# Altium PCB 运动控制板.PcbDoc (part 3 of 3) (continued)
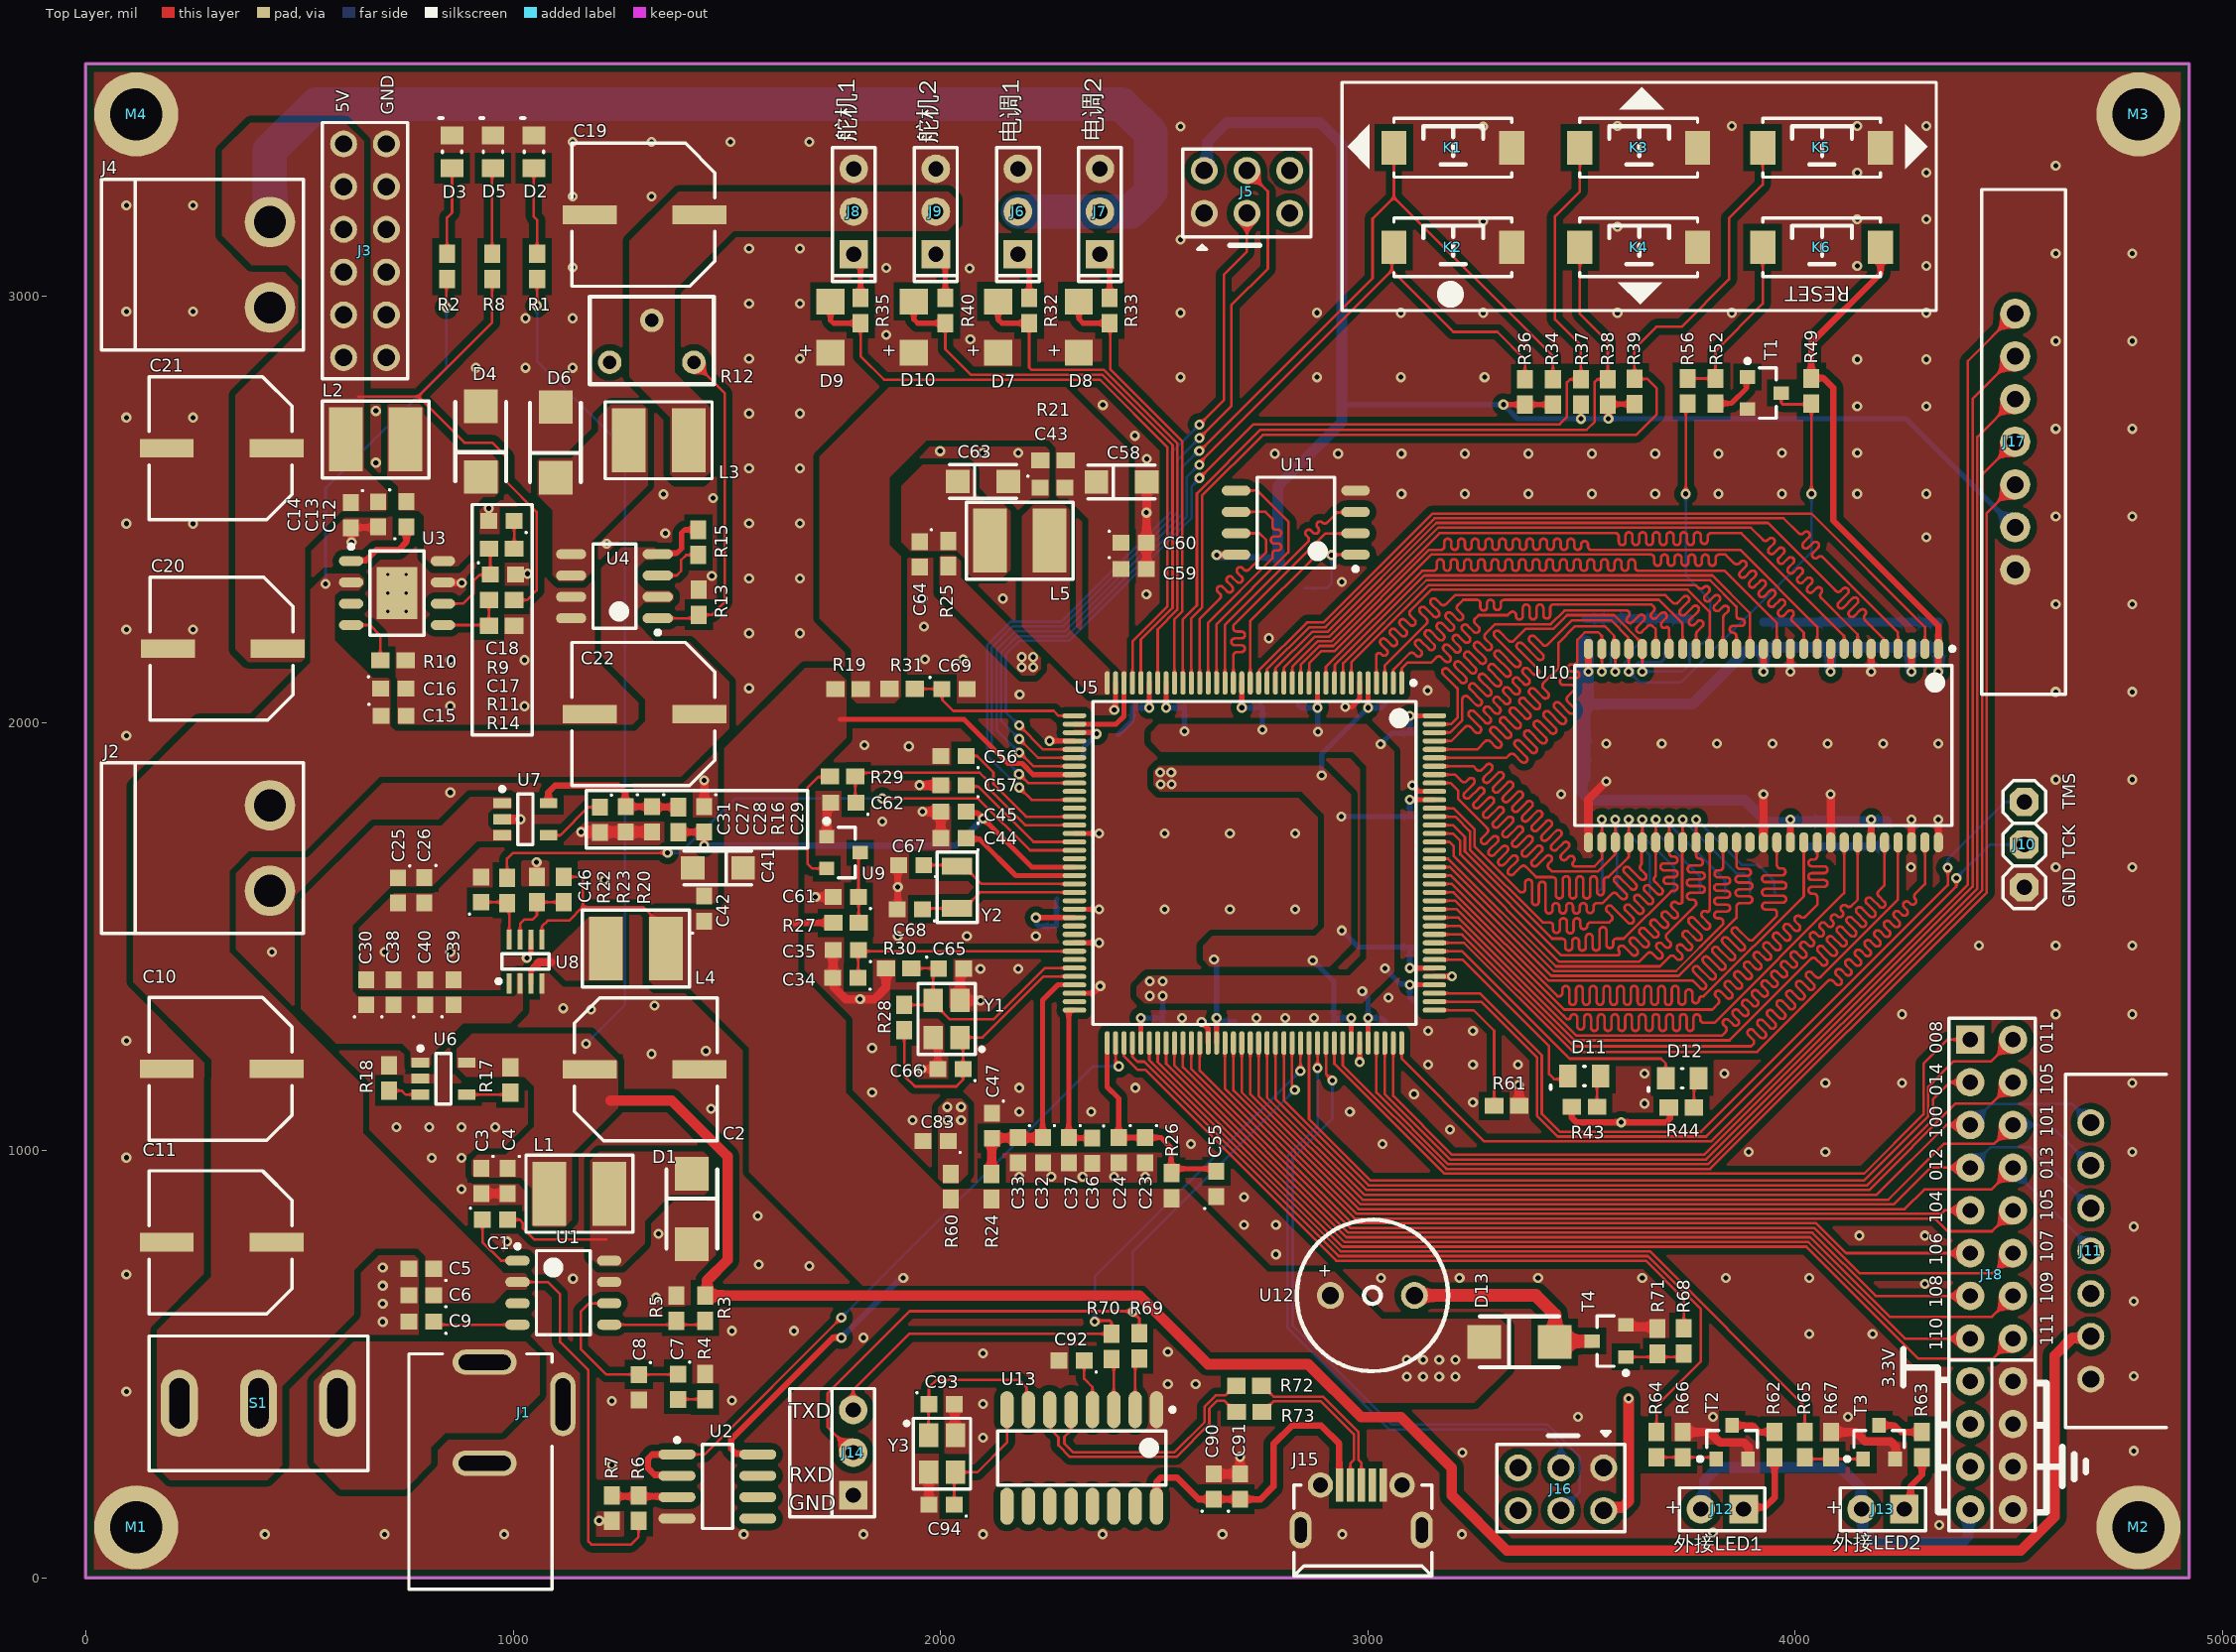
[diagram p0: Top Layer view]
## Nets (pads, with @x,y where several pads share a name; then routed paths per layer and width w, separated by ;. In a path a pad name is that pad's centre, name@x,y a point inside that pad or via, vN(x,y) a via of type N, cw(c..) or ccw(c..) an arc to the next point about the centre after c; other vN are vias at no path point) (continued)
NetC46_1: C46.1 R22.2 U8.8 | length 149.4
  Top Layer w6: C46.1@924.96,1581.33 983.78,1581.33 R22.2@985.75,1579.36 990.84,1574.28 U8.8@990.84,1493.65
NetC56_1: C56.1 U5.49 | length 328.2
  Top Layer w6: C56.1@2059.75,1923.42 2085.58,1923.42 2124,1885 2124,1858 2200.55,1781.45 U5.49@2313.33,1781.45
NetC57_1: C57.1 U5.52 | length 308.6
  Top Layer w6: C57.1@2059.75,1855.21 2062.96,1852 2088,1852 2217.61,1722.39 U5.52@2313.33,1722.39
NetC61_1: C61.1 R27.2 U9.3 | length 166.1
  Top Layer w6: R27.2@1808.47,1533.13 1808.47,1593.22 C61.1@1808.15,1593.54 1808.15,1693.05 U9.3@1812.41,1697.31
NetC65_1: C65.1 R28.1 R30.1 U5.67 Y1.3 | length 617.5
  Top Layer w6: R28.1@1915.08,1340.72 1972.33,1340.72 Y1.3@1982.9,1351.28 ; R30.1@1931.72,1426.51 1994.83,1426.51 C65.1@1995.59,1425.76 1982.9,1413.07 Y1.3@1982.9,1351.28 ; U5.67@2313.33,1427.12 2244.12,1427.12 2124,1307 2022.26,1307 1982.9,1346.36 Y1.3@1982.9,1351.28
NetC66_1: C66.1 R28.2 U5.68 Y1.1 | length 689.6
  Top Layer w6: R28.2@1915.08,1281.66 1915.08,1174.92 1940,1150 2037,1150 2052.75,1165.75 C66.1@2052.75,1190.73 2052.75,1257.81 Y1.1@2045.89,1264.67 2098.67,1264.67 2241.43,1407.43 U5.68@2313.33,1407.43
NetC67_1: C67.1 U5.57 Y2.1 | length 363.4
  Top Layer w6: C67.1@1960.77,1668.23 2036.1,1668.23 Y2.1@2039.1,1665.24 ; Y2.1@2055.78,1648.55 2050.1,1654.24 2065.85,1654.24 2096.11,1623.97 U5.57@2313.33,1623.97
NetC68_1: C68.1 U5.58 Y2.2 | length 404.1
  Top Layer w6: C68.1@1957.77,1564.66 1959.92,1566.81 Y2.2@2039.1,1566.81 2054.85,1566.81 2092.32,1604.28 U5.58@2313.33,1604.28 ; Y2.2@2048.85,1555.81 Y2.2@2071.53,1578.5
NetC69_1: C69.1 R31.1 U5.37 | length 414.5
  Top Layer w6: R31.1@1939.47,2080.61 1939.66,2080.41 C69.1@2003.5,2080.41 2004,2079.91 2004,2055 2030,2029 2265,2029 2276.33,2017.67 U5.37@2313.33,2017.67
NetC80_1: C80.1 C81.1 U5.61 | length 217.3
  Top Layer w12: v1(2223.23,1545.23) U5.61@2313.33,1545.23
  Bottom Layer w12: v1(2223.23,1545.23) 2225.45,1543 2225.45,1530.21 2230.26,1525.4 C80.1@2271.53,1525.4 2271.53,1587.19 C81.1@2272.53,1588.19
NetC92_1: C92.1 U13.4 | length 123.1
  Top Layer w6: C92.1@2336.09,508.51 2336.09,465.91 2355.54,446.46 U13.4@2355.54,393.43
NetC93_1: C93.1 U13.7 Y3.1 | length 409.1
  Top Layer w6: Y3.1@1971.97,333.84 1971.97,405.31 C93.1@1972.91,406.25 1972.91,445.91 1990,463 2184,463 2201.26,445.74 2201.26,397.72 U13.7@2205.54,393.43
NetC94_1: C94.1 U13.8 Y3.3 | length 303.2
  Top Layer w6: C94.1@2032.09,171.44 2032.09,244.36 Y3.3@2034.96,247.23 2086.23,247.23 2155.54,316.54 U13.8@2155.54,393.43
NetD2_1: D2.1 R1.2 | length 203.8
  Top Layer w6: D2.1@1048.44,3299.25 1048.44,3185.56 1056.31,3177.69 R1.2@1056.31,3098.7
NetD3_1: D3.1 R2.2 | length 205.5
  Top Layer w6: R2.2@845.39,3098.7 845.39,3183.39 857.21,3195.21 D3.1@857.21,3299.25
NetD5_1: D5.1 R8.2 | length 201.4
  Top Layer w6: R8.2@950.85,3098.7 950.85,3297.28 D5.1@952.83,3299.25
NetD6_2: D6.2 L3.1 U4.5 U4.6
NetD11_1: D11.1 R43.2 | length 75
  Top Layer w6: R43.2@3536.17,1102.79 3536.17,1165.63 D11.1@3544.75,1174.21
NetD12_1: D12.1 R44.2 | length 72.8
  Top Layer w6: R44.2@3763.17,1100.79 3763.17,1158.63 D12.1@3773.75,1169.21
NetD13_1: D13.1 T4.3 U12.2 | length 499.7
  Top Layer w30: U12.2@3109.06,660.79 3393.21,660.79 3438,616 D13.1@3438,552.47 ; D13.1@3437.32,551.79 D13.1@3438,552.47 ; T4.3@3524.99,554.21 3524.24,553.46 3438.99,553.46 D13.1@3438,552.47
NetJ1_1: J1.1 S1.1
NetJ6_1: J6.1 R32.2 | length 89.4
  Top Layer w12: R32.2@2207.5,2995.55 J6.1@2207.5,3085
NetJ7_1: J7.1 R33.2 | length 98.4
  Top Layer w12: R33.2@2395.65,2995.55 J7.1@2395.65,3094
NetJ8_1: J8.1 R35.2 | length 73.5
  Top Layer w12: R35.2@1812.94,2995.55 J8.1@1812.94,3069.06
NetJ9_1: J9.1 R40.2 | length 91.4
  Top Layer w12: R40.2@2011.34,2995.55 J9.1@2011.34,3087
NetJ12_1: J12.1 R62.1 | length 178
  Top Layer w15: J12.1@3879.21,160.64 3883.57,165 3929,165 3951.64,187.64 R62.1@3951.64,281.99
NetJ13_1: J13.1 R63.1 | length 138.6
  Top Layer w15: J13.1@4255.21,160.64 4270,175.43 4270,215 4296.74,241.74 R63.1@4296.74,281.99
NetJ15_2: J15.2 R73.1 | length 379.2
  Top Layer w6: R73.1@2752.06,388.72 2755.02,388.72 2779.3,413 2890,413 2967,336 2967,276 2958.95,267.95 J15.2@2958.95,217.01
NetJ15_3: J15.3 R72.1 | length 398.5
  Top Layer w6: R72.1@2751.06,449.32 2754.02,449.32 2769.72,433.62 2779.33,424 2895,424 2978,341 2978,276 2984.54,269.46 J15.3@2984.54,217.01
NetK6_2: K6.2 R52.1 R56.2 | length 418.2
  Top Layer w6: R56.2@3747.94,2806.98 R52.1@3813.3,2806.98 3813.3,2871.3 3923.88,2981.88 K6.2@3923.88,3114.06
NetL4_1: L4.1 U8.3 | length 85.6
  Top Layer w12: U8.3@1042.02,1391.28 1042.11,1391.38 1042.11,1422.11
  Top Layer w15: 1042.11,1422.11 1056,1436
  Top Layer w20: 1056,1436 1061,1441 1089,1441
NetL5_1: L5.1 U5.36
NetR3_2: R3.2 R5.1 U1.5 | length 239.8
  Top Layer w6: U1.5@1224.92,592.29 1439.81,592.29 R3.2@1449.1,601.58 ; R3.2@1433.61,593.29 R3.2@1441.9,601.58
NetR6_2: R6.2 R7.1 U2.3 | length 153.8
  Top Layer w15: R7.1@1231.3,192.64 1233.45,190.48 1381.85,190.48 U2.3@1383.5,188.83
NetR10_1: R10.1 U3.4 | length 136.9
  Top Layer w6: U3.4@621.06,2229.93 665.07,2229.93 689.23,2205.77 R10.1@689.23,2147.07
NetR11_2: R11.2 R14.1 U3.5 | length 168.7
  Top Layer w6: U3.5@835.63,2229.93 941.44,2229.93 R14.1@943.29,2228.07 R11.2@943.29,2288.38
NetR12_3: R12.3 R13.2 U4.1 | length 763.5
  Top Layer w6: U4.1@1338.5,2245.87 1426.37,2245.87 R13.2@1434.3,2253.81 1465.81,2253.81 1495,2283 1495,2772.75 R12.3@1422.93,2844.82
NetR15_2: R15.2 U4.3 | length 129.9
  Top Layer w6: U4.3@1338.5,2345.87 1382.87,2345.87 1393,2356 1393,2382 1404.81,2393.81 R15.2@1433.3,2393.81
NetR17_2: R17.2 U6.4 | length 104.4
  Top Layer w6: U6.4@891.28,1130.87 988.86,1130.87 R17.2@993.66,1135.67
NetR18_1: R18.1 U6.3 | length 77.2
  Top Layer w6: R18.1@709.75,1140.28 738.72,1140.28 748.13,1130.87 U6.3@783.02,1130.87
NetR20_2: R20.2 R23.1 U8.7 | length 177.6
  Top Layer w6: U8.7@1016.43,1493.65 1016.43,1530.43 1027,1541 1046,1541 1055.67,1550.67 R23.1@1055.67,1581.36 R20.2@1118.14,1581.36
NetR29_1: R29.1 U9.2 | length 290.7
  Top Layer w6: U9.2@1733.67,1659.91 1700.09,1659.91 1689,1671 1689,1849 1714.28,1874.28 1740.16,1874.28 R29.1@1741.42,1875.54
NetR52_2: R52.2 T1.1 | length 113.1
  Top Layer w12: R52.2@3813.3,2747.92 3814.01,2748.63 3850.63,2748.63 3885.67,2783.67 3885.67,2807.67 T1.1@3887,2809
NetR62_2: R62.2 T2.3 | length 105.9
  Top Layer w15: T2.3@3852.21,356.79 3900.21,356.79 3915.96,341.04 R62.2@3951.64,341.04
NetR63_2: R63.2 T3.3 | length 107
  Top Layer w15: T3.3@4196.21,356.79 4232.21,356.79 4247.96,341.04 R63.2@4296.74,341.04
NetR64_2: R64.2 R66.1 T2.1 | length 141.1
  Top Layer w6: R64.2@3675.36,281.99 R66.1@3736.64,281.99 3810.87,281.99 T2.1@3814.81,278.05
NetR65_2: R65.2 R67.1 T3.1 | length 138.1
  Top Layer w6: R65.2@4022.36,281.99 4026.3,278.05 T3.1@4158.81,278.05
NetR68_2: R68.2 R71.1 T4.1 | length 138.9
  Top Layer w6: T4.1@3603.73,516.81 3731.49,516.81 R68.2@3739.36,524.69
NetR69_2: R69.2 U13.2 | length 123.9
  Top Layer w6: U13.2@2455.54,393.43 2455.54,503.6 R69.2@2465.24,513.3
NetR70_2: R70.2 U13.3 | length 120.8
  Top Layer w6: R70.2@2400.08,512.01 2405.54,506.55 U13.3@2405.54,393.43
NetR72_2: R72.2 U13.5 | length 581.8
  Top Layer w6: U13.5@2305.54,393.43 2304.57,392.46 2304.57,344.64 2290,330.07 2290,314 2310,294 2547.44,294 2618,364.56 2618,401 2644,427 2666.74,427 2689.05,449.32 R72.2@2692.01,449.32
NetR73_2: R73.2 U13.6 | length 606.2
  Top Layer w6: U13.6@2255.54,393.43 2258.8,390.18 2258.8,346.13 2276,328.93 2276,310 2303,283 2552,283 2629,360 2629,396.44 2646.56,414 2664.77,414 2690.05,388.72 R73.2@2693.01,388.72
NVCC_GPIO_3V3: C82.1 C83.1 C84.1 C85.1 C86.1 C87.1 C88.1 C89.1 R60.2 U5.11 U5.20 U5.29 U5.77 U5.104 U5.112 U5.144 | length 1189.1
  Top Layer w12: U5.77@2468.84,1251.92 v1(2468.84,1309.88) ; v1(2527.89,2036.48) U5.29@2527.89,2094.44 ; v1(2705.06,2036.48) U5.20@2705.06,2094.44 ; v1(2882.22,2036.48) U5.11@2882.22,2094.44 ; U5.104@3000.33,1251.92 v1(3000.33,1309.88) ; v1(3097.88,1387.75) U5.112@3155.84,1387.75 ; v1(3097.88,2017.67) U5.144@3155.84,2017.67
  Bottom Layer w12: v1(2468.84,1309.88) 2512.74,1309.88 C87.1@2520,1302.63 ; v1(2520,1362) C87.1@2520,1302.63 ; C87.1@2520.33,1302.3 C87.1@2520,1302.63 ; v1(2527.89,2036.48) 2566.53,2036.48 C82.1@2570.29,2040.24 2571,2039.53 v1(2571,1981) ; v1(2705.06,2036.48) 2742.84,2036.48 C86.1@2748.6,2042.24 2753,2037.84 v1(2753,1985) ; C89.1@2836.91,2042.24 2842.67,2036.48 v1(2882.22,2036.48) 2882.61,2036.09 2882.61,1980.39 v1(2883,1980) ; v1(2987,1373) 2987,1369.86 3000.33,1356.52 v1(3000.33,1309.88) 3033.43,1309.88 C84.1@3041.02,1302.3 ; v1(3030,1951) 3055.78,1976.78 C88.1@3105.7,1976.78 3097.88,1984.6 v1(3097.88,2017.67) ; v1(3040,1426) 3076.03,1389.97 3095.66,1389.97 v1(3097.88,1387.75) 3097.88,1359.15 C85.1@3105.7,1351.33
  other v1: 2016,1071 2048,1071 2016,1102 2048,1102 2490,1362 2490,1396 2520,1396
OLED_CLK: J17.3 U5.101 | length 2910.4
  Top Layer w6: U5.101@2941.28,1251.92 2941.28,1199.05 3183.49,956.85 3800.85,956.85 4448,1604 4448,2492.15 J17.3@4514.65,2558.78
OLED_CS: J17.7 U5.108 | length 3072.4
  Top Layer w6: U5.108@3079.07,1251.92 3079.07,1215.36 3272.75,1021.69 3802.69,1021.69 4404,1623 4404,2848.15 J17.7@4514.65,2958.78
OLED_DC: J17.6 U5.107 | length 3079.2
  Top Layer w6: U5.107@3059.39,1251.92 3059.39,1127.61 3197,990 3787.11,990 4415,1617.89 4415,2759.15 J17.6@4514.65,2858.78
OLED_RST: J17.5 U5.106 | length 3014.7
  Top Layer w6: U5.106@3039.7,1251.92 3039.7,1131.74 3192.44,979 3791.67,979 4426,1613.33 4426,2670.15 J17.5@4514.65,2758.78
OLED_SDA: J17.4 U5.105 | length 2950.2
  Top Layer w6: U5.105@3020.02,1251.92 3020.02,1135.87 3187.89,968 3796.23,968 4437,1608.77 4437,2581.15 J17.4@4514.65,2658.78
POR_B: C62.1 R29.2 U5.50 | length 635.6
  Top Layer w6: R29.2@1800,1884 2092,1884 2110,1866 2110,1850 2198.24,1761.76 U5.50@2313.33,1761.76 ; R29.2@1800.47,1875.54 1800.47,1815.61 C62.1@1802.15,1813.93
PWM1: D9.2 R35.1 U5.33 | length 1586.1
  Top Layer w6: R35.1@1812.94,2936.5 1812.94,2859.06 1868,2804 2373,2804 2531,2646 2531,2273.67 2449.15,2191.82 U5.33@2449.15,2094.44
  Top Layer w12: D9.2@1742.63,2987.2 1742.63,2943.53 1749.66,2936.5 R35.1@1812.94,2936.5
PWM2: D10.2 R40.1 U5.32 | length 1391.9
  Top Layer w6: R40.1@2011.34,2936.5 2011.34,2875.66 2071,2816 2377.97,2816 2543,2650.97 2543,2270.11 2468.84,2195.95 U5.32@2468.84,2094.44
  Top Layer w12: D10.2@1937.63,2987.2 1937.63,2945.63 1946.76,2936.5 R40.1@2011.34,2936.5
PWM3: D7.2 R32.1 U5.30 | length 1222
  Top Layer w6: R32.1@2207.5,2936.5 2207.5,2832.98 2213.49,2827 2382.53,2827 2554,2655.53 2554,2265.56 2508.21,2219.76 U5.30@2508.21,2094.44
  Top Layer w12: D7.2@2134.63,2987.2 2134.63,2945.37 2143.5,2936.5 R32.1@2207.5,2936.5
PWM4: D8.2 R33.1 U5.28 | length 1036.8
  Top Layer w6: R33.1@2397,2937 2397,2828.9 2565.58,2660.32 2565.58,2261.58 2547.58,2243.58 U5.28@2547.58,2094.44
  Top Layer w12: D8.2@2323.63,2987.2 2324,2986.83 2324,2946 2333.5,2936.5 R33.1@2395.65,2936.5
SD_B0_00: U5.48
SD_B0_01: J5.5 U5.47 | length 1837.6
  Top Layer w6: v1(2184,1849.62) 2212.8,1820.82 U5.47@2313.33,1820.82 ; v1(2606,2699) 2663,2756 2663,3049.77 2717.1,3103.87 J5.5@2717.1,3193.87
  Bottom Layer w6: v1(2184,1849.62) 2109,1924.62 2109,2182.11 2164.89,2238 2283,2238 2541,2496 2541,2634 v1(2606,2699)
SD_B0_02: U5.46
SD_B0_03: J5.2 U5.45 | length 1934.5
  Top Layer w6: v1(2183.76,1880.98) 2184.24,1880.98 2205.03,1860.19 U5.45@2313.33,1860.19 ; v1(2606,2667.75) 2680.6,2742.35 2680.6,2978.6 2766,3064 2766,3244.98 J5.2@2717.1,3293.87
  Bottom Layer w6: v1(2183.76,1880.98) 2183.76,1881.45 2120,1945.22 2120,2177.56 2169.44,2227 2287.56,2227 2554,2493.44 2554,2615.75 v1(2606,2667.75)
SDRAM_3V3: C70.1 C71.1 C72.1 C73.1 C74.1 C75.1 C76.1 C77.1 C78.1 K6.1 R41.2 R49.1 U10.1 U10.3 U10.9 U10.14 U10.27 U10.43 U10.49 | length 3700.2
  Top Layer w15: v1@3516.09,2121.91 U10.27@3516.09,2174.23 ; v1@3925.54,2124.46 U10.14@3925.54,2174.23 ; U10.43@3988.53,1721.47 v1@3988.53,1768.53 ; v1@4083.02,2123.02 U10.9@4083.02,2174.23 ; U10.49@4177.51,1721.47 v1@4177.51,1768.49 ; K6.1@4199.47,3114.06 4199.47,3052.47 4037.46,2890.46 R49.1@4037.46,2806.98 4038.48,2808 4066,2808 4089,2785 4089,2474 4334.99,2228.01 U10.1@4334.99,2174.23 v1@4334.99,2123.01 ; v1(4272,2121) U10.3@4272,2174.23
  Bottom Layer w25: C73.1@3500.22,1875.43 3500.22,1838.78 3519,1820 3882,1820 3933.47,1768.53 3988.53,1768.53 3990.35,1770.35 C71.1@4026.17,1770.35 C74.1@4214.48,1770.35 ; 3509.38,2045 3760,2045 3885.47,2170.47 3919.86,2170.47 3926.07,2176.67 C77.1@3926.07,2177.65 ; v1@3925.54,2124.46 3926.07,2124.99 C77.1@3926.07,2177.65 ; v1@4083.02,2123.02 4081.76,2124.28 C78.1@4081.76,2177.65 ; v1(4272,2121) 4269.45,2123.55 C70.1@4269.45,2177.65 ; v1@4334.99,2123.01 4336.14,2124.16 C72.1@4336.14,2177.65 C70.1@4269.45,2177.65 ; C77.1@3926.07,2177.65 C78.1@4081.76,2177.65 ; C78.1@4081.76,2177.65 C70.1@4269.45,2177.65
  Bottom Layer w40: C73.1@3501.35,1874.31 3500.22,1875.43 C75.1@3500.22,1996.4 3500.22,2030.22 3509.38,2039.38 C76.1@3509.38,2185.65
  other v1: 3988.53,1774.59 4177.51,1774.59 3516.09,2121 3925.54,2121 4083.02,2121 4334.99,2121
SWD_TCK: J10.2 U5.110 | length 1885.8
  Top Layer w6: U5.110@3155.84,1348.38 3265.62,1348.38 3395.69,1218.31 3395.69,1081.31 3444.31,1032.69 3791.69,1032.69 4377,1618 v1(4377,1638)
  Bottom Layer w6: v1(4377,1638) 4455.02,1716.02 J10.2@4535.82,1716.02
SWD_TMS: J10.1 U5.111 | length 1950
  Top Layer w6: U5.111@3155.84,1368.06 3261.94,1368.06 3407,1223 3407,1086 3449,1044 3780,1044 4357,1621 v1(4357,1662)
  Bottom Layer w6: v1(4357,1662) 4357,1682 4472,1797 4491.02,1816.02 J10.1@4535.82,1816.02
USB_5V: C90.1 C91.1 J15.1 U13.16 | length 753.9
  Top Layer w15: U13.16@2505.54,167.45 2505.54,224.54 2516,235 2553,235 2604.09,183.91 C90.1@2639.13,183.91 C91.1@2700.82,183.91 2748.91,183.91 2779,214 2779,313 2822,356 2891,356 2933,314 2933,217.37 J15.1@2933.36,217.01
VDD_HIGH_IN_3V3: C32.1 C33.1 C47.2 R24.2 U5.69 | length 601.7
  Top Layer w12: C32.1@2239,1030.92 2239,1352 2274.75,1387.75 U5.69@2313.33,1387.75
  Top Layer w20: R24.2@2119.48,957.35 2119.75,957.61 2119.75,1028.42 C47.2@2120.01,1028.68 2120.8,1029.48 2180.56,1029.48 C33.1@2181.35,1030.27 2238.35,1030.27 C32.1@2239,1030.92
VDD_SNVS_3V3: C29.2 C45.1 R16.2 U5.55 | length 1079.1
  Top Layer w12: C45.1@2059.75,1793.11 2062.86,1790 2087,1790 v1(2100,1777) 2213.66,1663.34 U5.55@2313.33,1663.34
  Top Layer w15: R16.2@1386.86,1744.71 1387.38,1745.22 1446.75,1745.22 C29.2@1447.26,1745.74 v1(1447.26,1713.74)
  Bottom Layer w15: v1(1447.26,1713.74) 2036.74,1713.74 v1(2100,1777)
VDD_SOC_IN: C48.1 C49.1 C50.1 C51.1 C52.1 C53.1 C54.1 R25.2 U5.5 U5.31 U5.39 U5.86 U5.102 U5.114 U5.134 | length 1683.4
  Top Layer w12: U5.39@2313.33,1978.3 2359.43,1978.3 2362.56,1975.17 v1(2365.7,1975.17) ; v1(2488.52,2036.48) U5.31@2488.52,2094.44 ; U5.86@2646,1251.92 v1(2646,1309.88) ; U5.102@2960.96,1251.92 v1(2960.96,1309.88) ; v1(3000.33,2036.48) U5.5@3000.33,2094.44 ; v1(3097.88,1427.12) U5.114@3155.84,1427.12 ; v1(3097.88,1820.82) U5.134@3155.84,1820.82
  Bottom Layer w12: C50.1@2323.3,1916.4 2335.03,1928.13 2335.03,1944.5 v1(2365.7,1975.17) ; 2415,1973 2449,2007 2449,2037.99 C51.1@2450.71,2039.7 2453.93,2036.48 v1(2488.52,2036.48) ; v1(2640,1447) 2640,1443.86 2646,1437.85 v1(2646,1309.88) 2649.15,1309.88 2656.73,1302.3 C53.1@2689.75,1302.3 ; v1(2871,1445) 2920.06,1395.94 C54.1@2920.06,1302.3 2927.64,1309.88 v1(2960.96,1309.88) ; v1(2892,1878) 2892,1928.14 v1(3000.33,2036.48) 3031.79,2036.48 C48.1@3040.02,2044.7 ; v1(2938,1782) C49.1@3104.38,1782 ; v1(2939,1515) 2977.63,1476.37 C52.1@3105.7,1476.37 3097.88,1468.55 v1(3097.88,1427.12) ; v1(3097.88,1820.82) 3097.88,1788.49 C49.1@3104.38,1782 ; C49.1@3105.7,1780.67 C49.1@3104.38,1782
  other v1: 2515,1857 2541,1857 2514,1885 2540,1885 2190,2131 2217,2131 2190,2155 2217,2155
VDDA_ADC_3V3: C23.1 C24.1 C55.2 R26.2 U5.73 | length 510.1
  Top Layer w12: U5.73@2390.1,1251.92 2390.1,1148.9 2416.97,1122.03 C24.1@2416.97,1030.27 C23.1@2478.66,1030.27 2515.73,1030.27 2539.7,1006.3 2539.7,956.63 2540.59,957.52 C55.2@2634.29,957.52
VLDO_3V3: C27.1 C28.1 R16.1 U7.5 | length 375.7
  Top Layer w15: U7.5@1082.85,1812.75 1082.85,1838.85 1098,1854 1246,1854 1262,1838 1262,1806.49 C27.1@1263.8,1804.68 C28.1@1325.49,1804.68 1325.95,1804.22 1386.4,1804.22 R16.1@1386.86,1803.76
pads on no net: J5.1 J5.6 J11.5 J15.4 J16.1 J16.6 J17. R12.1 U1.3 U2.5 U2.6 U2.7 U3.3 U5.54 U5.59 U5.62 U5.63 U5.66 U5.71 U8.1 U10.40 U13.9 U13.10 U13.11 U13.12 U13.13 U13.14 U13.15

## Polygon pours and split planes (outlines as drawn)
GND on Top Layer "Top Layer All GND" (solid, pour order 63): 0,0 0,3543.31 4921.26,3543.31 4921.26,0
BAT_12V on Top Layer "Top Layer-BAT_12V" (solid, remove dead copper, pour order 44): 167,259 197,229 425,229 460,264 460,448 628,616 628,720 679,771 776,771 795,752 795,645 797,643 955,643 986,674 1029,674 1039,684 1039,701 1027,713 978,713 649,1042 649,1152 336,1465 336,1655 382,1701 514,1701 558,1745 688,1875 1393,1875 1506,1988 1506,2097 1413,2190 1333,2190 1287,2236 1287,2263 1307,2283 1368,2283 1375,2290 1375,2301 1365,2311 1309,2311 1288,2332 1288,2362 1309,2383 1369,2383 1375,2389 1375,2402 1366,2411 1254,2411 1206,2363 1206,2158 1309,2055 1309,2005 1286,1982 725,1982 713,1994 713,2100 707,2106 672,2106 583,2195 583,2299 595,2311 638,2311 651,2324 651,2338 639,2350 563,2350 526,2313 526,2142 391,2007 264,2007 111,1854 111,1395 294,1212 294,1169 293,1168 293,705 167,579
MCU_DCDC_IN_3V3 on Top Layer "Top Layer-MCU_DCDC_IN_3V3" (solid, remove dead copper, pour order 62): 2407.73,2137 2423,2121.73 2423,2071 2428,2066 2432,2066 2436,2070 2436,2199 2440,2203 2440,2640 2293,2787 1880,2787 1717,2624 1717,2246 1791,2172 1791,2060 1804,2047 1892,2047 1907,2062 1907,2391 1881,2417 1881,2575 1968,2662 2253,2662 2270,2645 2270,2534 2277,2527 2297,2527 2346,2478 2346,2198 2407,2137
NetL5_1 on Top Layer "Top Layer-NetL5_1" (solid, pour order 57): 2191,2226 2350,2067 2396,2067 2396,2126 2302,2220 2302,2500 2291,2511 2217,2511 2191,2485
NetL4_1 on Top Layer "NETL4_1_L01_P055" (solid, remove dead copper, pour order 55): 1178,1548 1256,1548 1256,1398 1123,1398 1089,1432 1089,1459
no net on Top Layer "NONET_L01_P053" (solid, remove dead copper, pour order 53): -1,3544
GND on Top Layer "GND_L01_P050" (solid, remove dead copper, pour order 50): 1201,673 1253,673 1291,635 1401,635 1413,647 1413,696 1464,747 1464,822 1450,836 1371,836 1328,793 1328,765 1274,711 1197,711 1188,702 1188,686
NetJ1_1 on Top Layer "NETJ1_1_L01_P045" (solid, remove dead copper, pour order 45): 534,460 534,270 597,207 747,207 808,268 808,305 842,339 973,339 1062,428 1062,521 1030,553 627,553
DCDC_3V3 on Top Layer "Top Layer-DCDC_3V3" (solid, remove dead copper, pour order 39): 1318,1398 1333,1383 1409,1383 1552,1240 1552,950 1819,683 1820,684 2477,684 2633,528 2871,528 2989,410 3249,410 3327,488 3327,589 3310,606 3032,606 2922,716 2766,716 2572,910 2004,910 1779,1135 1779,1304 1667,1416 1667,1648 1667,1853 1780,1966 1780,2100 1750,2130 1683,2130 1494,1941 1494,1579 1479,1564 1335,1564 1318,1547
6V on Top Layer "6V_L01_P042" (solid, remove dead copper, pour order 42): 1367,2583 1381,2569 1442,2569 1467,2594 1467,2732 1378,2821 1378,3014 1516,3152 2016,3152 2036,3172 2036,3227 2019,3244 1387,3244 1272,3129 1272,2811 1367,2716
no net on Top Layer "NONET_L01_P036" (solid, remove dead copper, pour order 36): 1494,1621.5
NVCC_GPIO_3V3 on Top Layer "NVCC_GPIO_3V3_L01_P030" (solid, remove dead copper, pour order 30): 1995,935 2006,924 2043,924 2064,945 2064,1106 2049,1121 2015,1121 1995,1101
VDD_SOC_IN on Top Layer "VDD_SOC_IN_L01_P026" (solid, remove dead copper, pour order 26): 1998,2305 2191,2112 2220,2112 2235,2127 2235,2154 2048,2341 2048,2379 2034,2393 2001,2393 1998,2390
DCDC_OUT on Top Layer "DCDC_OUT_L01_P022" (solid, remove dead copper, pour order 22): 1930,2403 2039,2403 2060,2382 2060,2355 2073,2342 2147,2342 2164,2359 2164,2496 2146,2514 2107,2514 2077,2544 2077,2591 2063,2605 1959,2605 1909,2555 1909,2424
VDD_SOC_IN on Top Layer "VDD_SOC_IN_L01_P013" (solid, pour order 13): 2511,1901 2498,1888 2498,1855 2513,1840 2844,1840 2898,1786 2898,1523 2877,1502 2637,1502 2614,1479 2614,1447 2630,1431 2911,1431 2961,1481 2961,1833 2893,1901
NVCC_GPIO_3V3 on Top Layer "NVCC_GPIO_3V3_L01_P012" (solid, pour order 12): 2459,1384 2459,1362 2477,1344 2987,1344 3061,1418 3061,1934 2997,1998 2511,1998 2492,1979 2492,1957 2516,1933 2964,1933 2997,1900 2997,1449.2 2956.8,1409 2484,1409
NetD6_2 on Top Layer "NETD6_2_L01_P011" (solid, remove dead copper, pour order 11): 1058,2533 1092,2499 1092,2347 1107,2332 1163,2332 1184,2353 1184,2426 1315,2557 1315,2735 1304,2746 1229,2746 1199,2716 1199,2683 1136,2620 1063,2620 1058,2615
5V_5A on Top Layer "5V_5A_L01_P010" (solid, remove dead copper, pour order 10): 350,2173 380,2143 503,2143 513,2153 513,2410 599,2496 701,2496 706,2501 706,2544 651,2599 651,3362 607,3406 385,3406 319,3340 319,3142 389,3072 471.31,3072 513,3030.31 513,2931 350,2768
NetC12_2 on Top Layer "NETC12_2_L01_P009" (solid, remove dead copper, pour order 9): 706,2578 731,2553 731,2501 735,2497 779,2497 791,2485 791,2390 814,2367 870,2367 906,2403 906,2505 931,2530 956,2530 967,2541 967,2613 941,2639 875,2639 791,2723 791,2737 781,2747 709,2747 706,2744
NetL4_1 on Top Layer "NETL4_1_L01_P007" (solid, remove dead copper, pour order 7): 1184.32,1412.72
5V on Top Layer "5V_L01_P005" (solid, remove dead copper, pour order 5): 741,1250 760,1231 760,1195 803,1195 808,1200 808,1223 883,1298 993,1298 1023,1328 1023,1415 1021,1417 1012,1417 1009,1414 1009,1367 1003,1361 884,1361 636,1361 624,1373 624,1527 715,1618 810,1618 916,1724 995,1724 997,1726 997,1749 994,1752 993,1751 951,1751 941,1761 941,1789 952,1800 994,1800 997,1803 997,1823 992,1828 900,1828 832,1760 675,1760 504,1589 504,1332 586,1250
5V_2A on Top Layer "5V_2A_L01_P004" (solid, remove dead copper, pour order 4): 903,943 909,937 1018,937 1044,911 1044,826 1049,821 1121,821 1138,838 1138,992 1245,1099 1245,1209 1180,1274 904,1274 868,1238 868,1195 872,1191 890,1173 1026,1173 1049,1150 1049,1056 983,990 917,990 903,976
NetC1_2 on Top Layer "NETC1_2_L01_P003" (solid, remove dead copper, pour order 3): 1181,750 1202,729 1255,729 1308,782 1308,835 1369,896 1447,896 1458,907 1458,984 1445,997 1201,997 1181,977
GND on Top Layer "GND_L01_P002" (solid, remove dead copper, pour order 2): 772,746 779,739 779,583 773,577 694,577 673,598 673,722 697,746
GND on Bottom Layer "Bottom Layer All GND" (solid, pour order 64): 0,0 0,3543.31 4921.26,3543.31 4921.26,0
DCDC_3V3 on Bottom Layer "Bottom Layer-DCDC_3V3" (solid, remove dead copper, pour order 35): 3047,454 3093,408 4202,408 4354,256 4354,166 4382.45,137.55 4431.55,137.55 4453,159 4453,468.25 4425.25,496 3765,496 3615,646 3615,1336 3405,1546 3405,1897 3418,1910 3464,1910 3469,1915 3469,1952 3464,1957 3414,1957 3382,1989 3382,2065 3197,2250 2851,2250 2819,2282 2819,2354 2795.08,2377.92 2784.92,2377.92 2764,2357 2764,2262 2827,2199 3158,2199 3295,2062 3295,1486.5 3295,1454 3427,1322 3427,685 3325,583 3085,583 3047,545
NVCC_GPIO_3V3 on Bottom Layer "NVCC_GPIO_3V3_L02_P031" (solid, remove dead copper, pour order 31): 1995,1101 2206,1312 2340,1312 2436,1408 2530,1408 2547,1391 2547,1362 2529,1344 2465,1344 2370,1249 2244,1249 2051,1056 2010,1056 1995,1071
VDD_SOC_IN on Bottom Layer "Bottom Layer-VDD_SOC_IN" (solid, remove dead copper, pour order 28): 2465,1840 2543,1840 2554,1851 2554,1892 2545,1901 2490,1901 2223,2168 2181,2168 2173,2160 2173,2131 2464,1840
no net on Bottom Layer "NONET_L02_P033" (solid, remove dead copper, pour order 33): 3277,1682

## Keep-outs
Keep-Out Layer:
  the board outline again, w7.87

## Silkscreen, mask and mechanical layers (free items; w line width, h text height)
Top Overlay:
  circle w39.37: c3193,3004 r11.81
  region: 2952,3350 3004,3298 3004,3402
  region: 4310,3350 4258,3402 4258,3298
  region: 3637,2980 3689,3032 3585,3032
  region: 3641,3489 3589,3437 3693,3437
  lines w7.87: 1746,443 1647,443 1647,143 1747,143 ; 1747,3048 1747,3034 1847,3034 1847,3048 ; 1939.03,3048 1939.03,3034 2039.03,3034 2039.03,3048 ; 2131.07,3048 2131.07,3034 2231.07,3034 2231.07,3048 ; 2323.1,3048 2323.1,3034 2423.1,3034 2423.1,3048 ; 4361,510 4560,510 ; 4460,109.84 4460,509.5 ; 904,1973 1045,1973 1045,2512 904,2512 904,1973 ; 1171,1708 1171,1843 1689,1843 1689,1708 1171,1708 ; 2940,2966 4330,2966 4330,3500 2940,3500 2940,2966
  lines w15.75: 4253,451 4253,535 ; 4253,492 4333,492 4334,491 4334,463 ; 4334,258 4355,258 ; 4334,358 4355,358 ; 4355,463 4334,463 ; 4356,154 4335,154 4334,155 4334,463 ; 4566,260 4625,260 ; 4566,357 4587,357 ; 4566,456 4588,456 ; 4567,153 4588,153 4588,455 ; 4625,215 4625,306 ; 4653,231 4653,289 ; 4680,248 4680,274
  text "5V" at 616,3429 h30 r90
  text "GND" at 721,3424 h30 r90
  text "电调2" at 2390.85,3362.07 h70.87 r90
  text "舵机1" at 1813.85,3360.07 h70.87 r90
  text "电调1" at 2197.85,3359.07 h70.87 r90
  text "舵机2" at 2003.85,3357.07 h70.87 r90
  text "RESET" at 4129,3033.67 h60 r180
  text "TMS" at 4656,1798 h30 r90
  text "TCK" at 4656,1683.5 h30 r90
  text "GND" at 4656,1569 h30 r90
  text "008" at 4344,1226 h30 r90
  text "011" at 4603,1226 h30 r90
  text "105" at 4603,1128.28 h30 r90
  text "014" at 4344,1126.86 h30 r90
  text "101" at 4603,1030.57 h30 r90
  text "100" at 4344,1027.71 h30 r90
  text "013" at 4603,932.86 h30 r90
  text "012" at 4344,928.57 h30 r90
  text "105" at 4603,835.14 h30 r90
  text "104" at 4344,829.43 h30 r90
  text "107" at 4603,737.43 h30 r90
  text "106" at 4344,730.29 h30 r90
  text "109" at 4603,639.71 h30 r90
  text "108" at 4344,631.14 h30 r90
  text "111" at 4603,542 h30 r90
  text "110" at 4344,532 h30 r90
  text "3.3V" at 4233,445 h30 r90
  text "TXD" at 1645.79,361.63 h60
  text "RXD" at 1645.79,212.26 h60
  text "GND" at 1645.79,146.63 h60
  text "+" at 3694,138.62 h60
  text "+" at 4071,138.62 h60
  text "外接LED2" at 4088.06,55.05 h60
  text "外接LED1" at 3716.06,52.05 h60

## Dimensions
0,3543.31 to 4921.26,3543.31 on Mechanical 1
0,0 to 0,3543.31 on Mechanical 1

## Text inside footprints (layer, text, board x,y; h text height)
D7: Top Overlay "+" at 2090.63,2855.2 h30 r90
D8: Top Overlay "+" at 2279.63,2855.2 h30 r90
D9: Top Overlay "+" at 1698.63,2855.2 h30 r90
D10: Top Overlay "+" at 1893.63,2855.2 h30 r90
U12: Top Overlay "+" at 2882.84,705.16 h30